# Altium PCB VOU_SOM_CV_V0.0.1.PcbDoc (part 5 of 5)
Units mm, origin at the board's own origin, x right, y up, seen from the top; angles counter-clockwise.
Board outline 75 x 105 mm, 9 copper layers (Top Layer, PWR1, INT1, INT2, INT3, INT4, INT5, PWR2, Bottom Layer), stack 1.317 mm thick; 497 components, 649 nets, 3023 pads, 1317 vias.
Unrouted connection lines stored in the file: 2057.
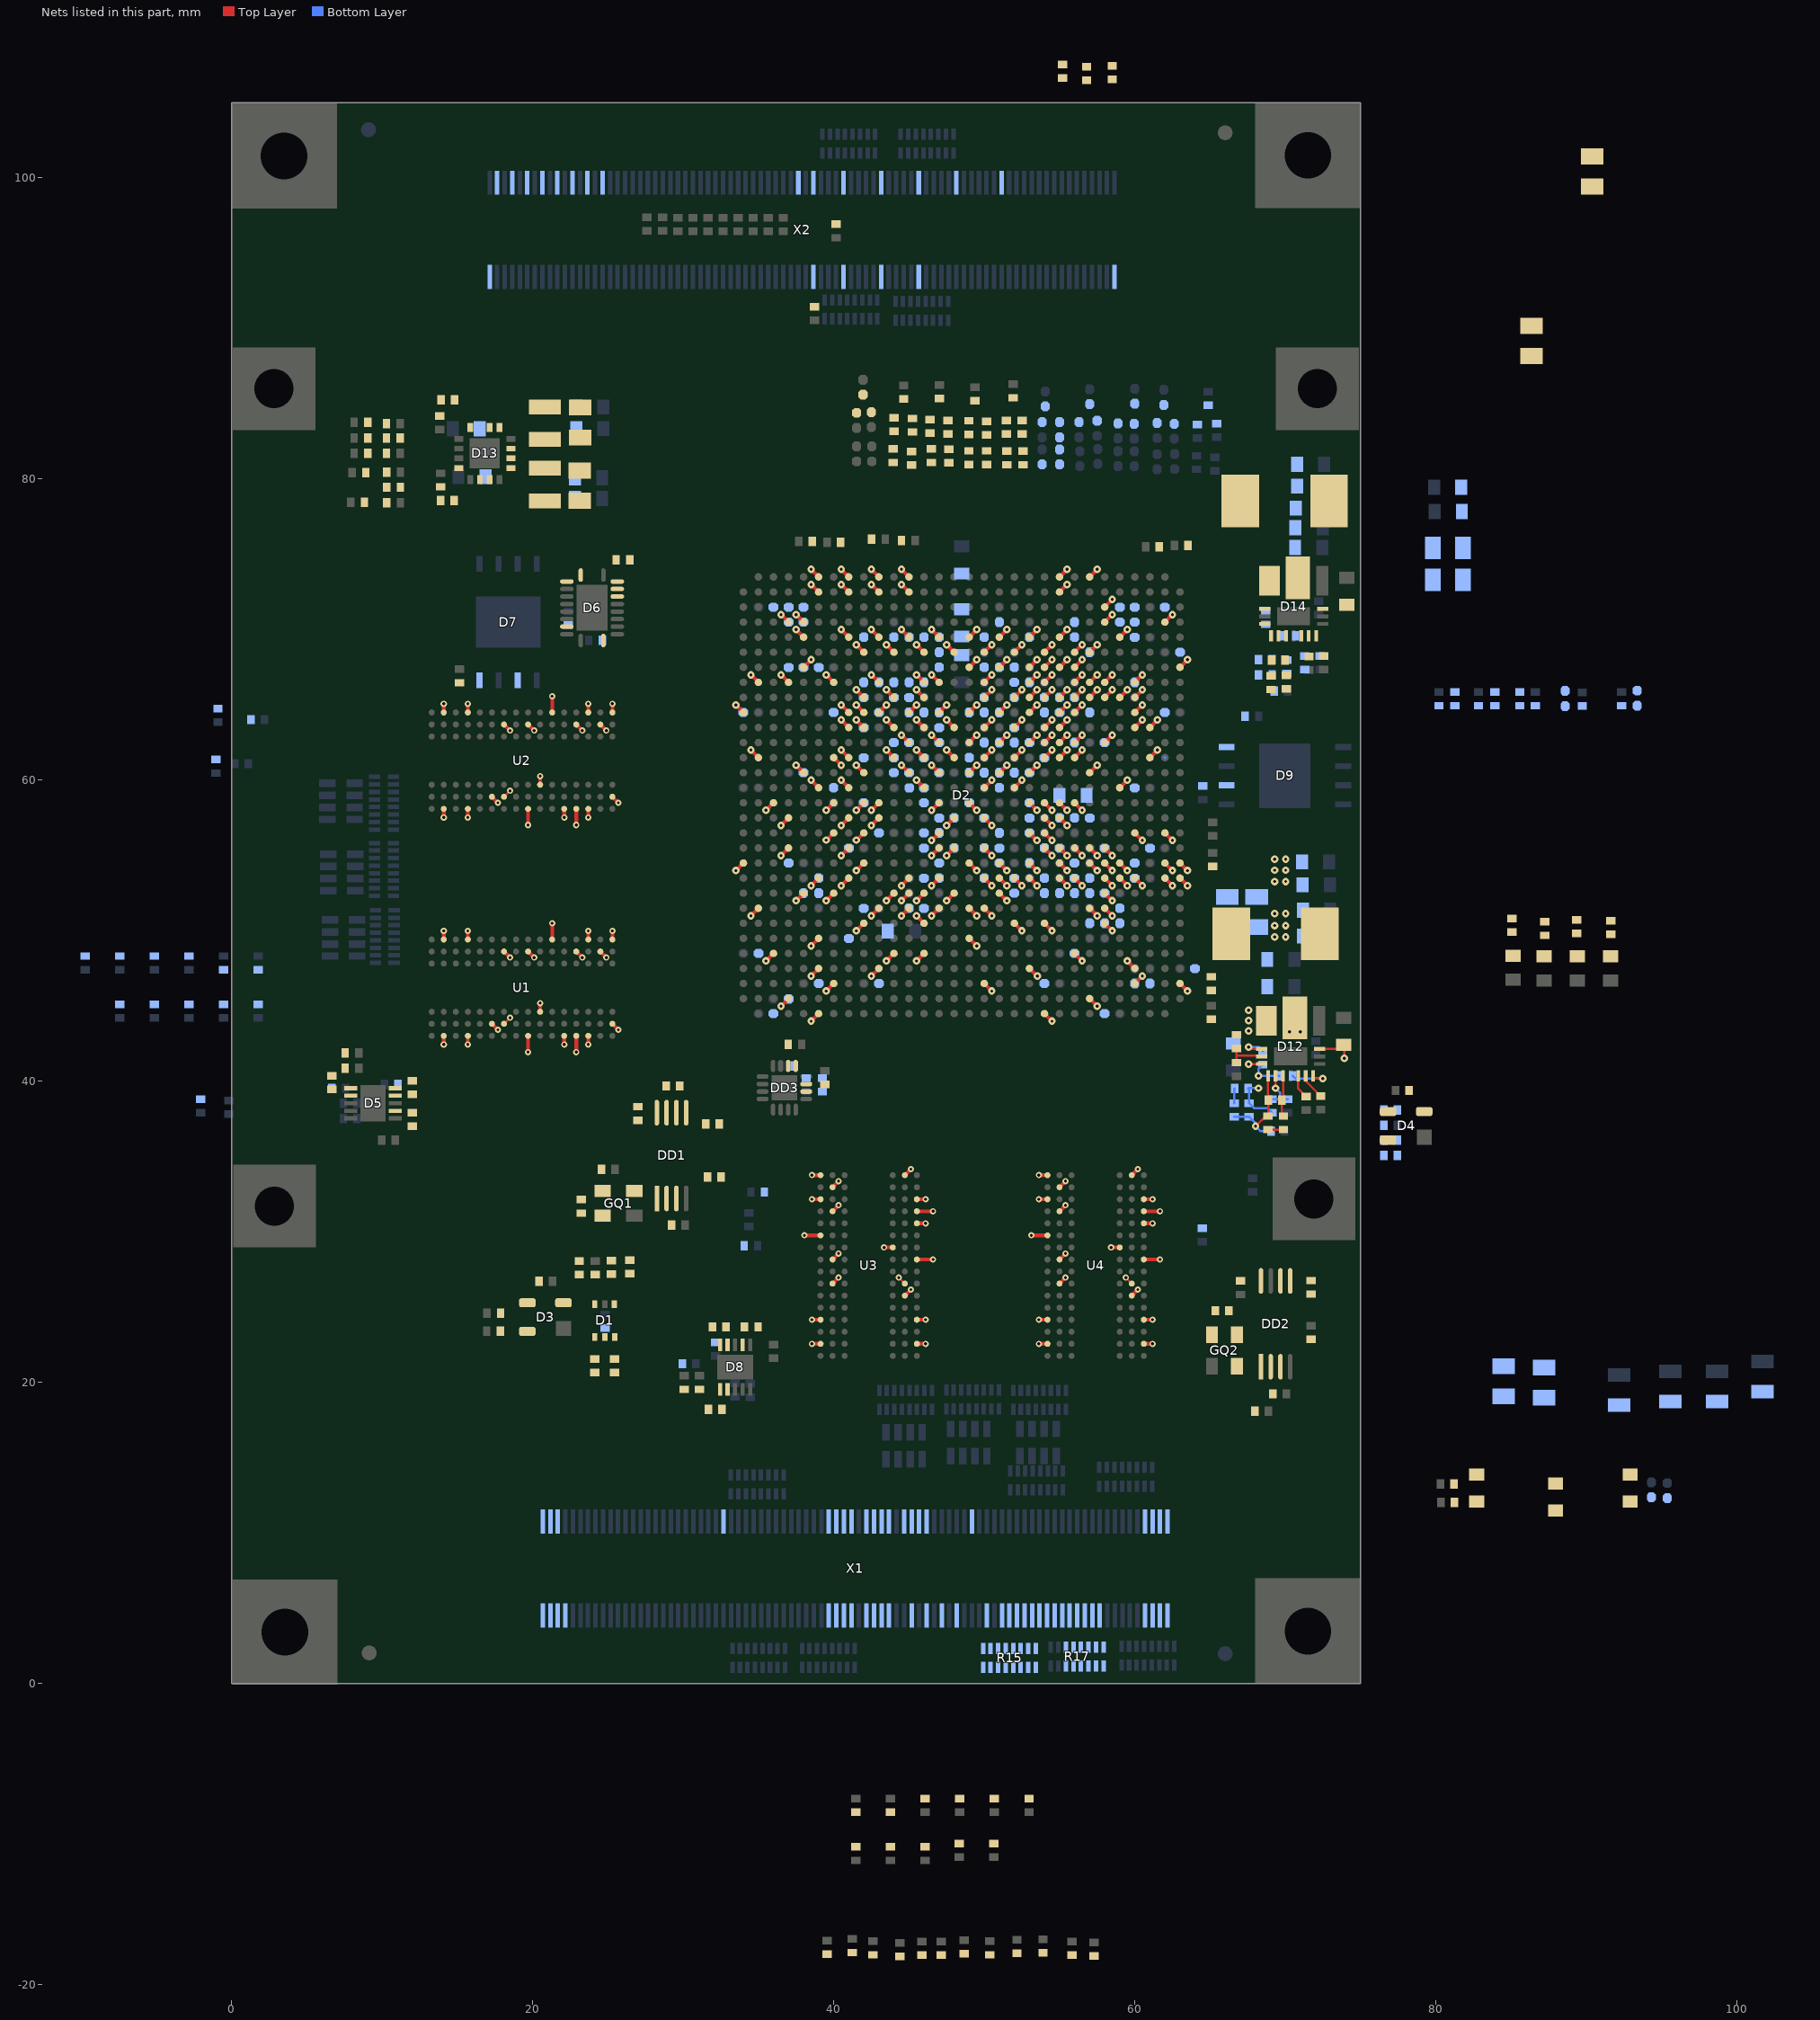
[diagram p10: the nets of this part, all layers, seen from the top]

## Via types
v1: diameter 0.5, hole 0.2, Top Layer to Bottom Layer, 953 vias
v2: diameter 0.42, hole 0.2, Top Layer to Bottom Layer, 364 vias

## Nets (pads, with @x,y where several pads share a name; then routed paths per layer and width w, separated by ;. In a path a pad name is that pad's centre, name@x,y a point inside that pad or via, vN(x,y) a via of type N, cw(c..) or ccw(c..) an arc to the next point about the centre after c; other vN are vias at no path point) (continued)
MIPI_CSI_DA3_HS_P: D2.C13 R90.2 R91.1 X2.31 | length 0.7
  Top Layer w0.25: D2.C13@61,61.5 v1(61.5,62)
MIPI_CSI_DA3_LP_N: D2.D10 R92.1 | length 0.7
  Top Layer w0.25: D2.D10@60,64.5 v1(60.5,65)
MIPI_CSI_DA3_LP_P: D2.D11 R90.1 | length 0.7
  Top Layer w0.25: D2.D11@60,63.5 v1(60.5,64)
MIPI_CSI_DB0_HS_N: D2.K8 R100.2 R101.2 X2.141 | length 0.7
  Top Layer w0.25: D2.K8@54,66.5 v1(54.5,67)
MIPI_CSI_DB0_HS_P: D2.K7 R98.2 R99.1 X2.137 | length 0.7
  Top Layer w0.25: D2.K7@54,67.5 v1(54.5,68)
MIPI_CSI_DB0_LP_N: D2.H7 R101.1 | length 0.7
  Top Layer w0.25: D2.H7@56,67.5 v1(56.5,68)
MIPI_CSI_DB0_LP_P: D2.J7 R98.1 | length 0.7
  Top Layer w0.25: D2.J7@55,67.5 v1(55.5,68)
MIPI_CSI_DB1_HS_N: D2.J9 R104.2 R105.2 X2.149 | length 0.7
  Top Layer w0.25: D2.J9@55,65.5 v1(55.5,66)
MIPI_CSI_DB1_HS_P: D2.J10 R102.2 R103.1 X2.145 | length 0.7
  Top Layer w0.25: D2.J10@55,64.5 v1(55.5,65)
MIPI_CSI_DB1_LP_N: D2.G8 R105.1 | length 0.7
  Top Layer w0.25: D2.G8@57,66.5 v1(57.5,67)
MIPI_CSI_DB1_LP_P: D2.H8 R102.1 | length 0.7
  Top Layer w0.25: D2.H8@56,66.5 v1(56.5,67)
MIPI_CSI_DB2_HS_N: D2.J12 R108.2 R109.2 X2.157 | length 0.7
  Top Layer w0.25: D2.J12@55,62.5 v1(55.5,63)
MIPI_CSI_DB2_HS_P: D2.K12 R106.2 R107.1 X2.153 | length 0.7
  Top Layer w0.25: D2.K12@54,62.5 v1(54.5,63)
MIPI_CSI_DB2_LP_N: D2.F8 R109.1 | length 0.7
  Top Layer w0.25: D2.F8@58,66.5 v1(58.5,67)
MIPI_CSI_DB2_LP_P: D2.F9 R106.1 | length 0.7
  Top Layer w0.25: D2.F9@58,65.5 v1(58.5,66)
MIPI_CSI_DB3_HS_N: D2.H12 R112.2 R113.2 X2.165 | length 0.7
  Top Layer w0.25: D2.H12@56,62.5 v1(56.5,63)
MIPI_CSI_DB3_HS_P: D2.H13 R110.2 R111.1 X2.161 | length 0.7
  Top Layer w0.25: D2.H13@56,61.5 v1(56.5,62)
MIPI_CSI_DB3_LP_N: D2.D9 R113.1 | length 0.7
  Top Layer w0.25: D2.D9@60,65.5 v1(60.5,66)
MIPI_CSI_DB3_LP_P: D2.E9 R110.1 | length 0.7
  Top Layer w0.25: D2.E9@59,65.5 v1(59.5,66)
MSEL0: D2.L8 R179.1 R195.2 | length 0.7
  Top Layer w0.25: D2.L8@53,66.5 v1(53.5,67)
MSEL1: D2.K6 R184.1 R196.2 | length 0.7
  Top Layer w0.25: D2.K6@54,68.5 v1(54.5,69)
MSEL2: D2.G6 R185.1 R197.2 | length 0.7
  Top Layer w0.25: D2.G6@57,68.5 v1(57.5,69)
MSEL3: D2.L7 R186.1 R198.2 | length 0.7
  Top Layer w0.25: D2.L7@53,67.5 v1(53.5,68)
MSEL4: D2.L9 R187.1 R199.2 | length 0.7
  Top Layer w0.25: D2.L9@53,65.5 v1(53.5,66)
N_FPGA_RST_O: D1.1 D2.AE27 R182.1 | length 0.7
  Top Layer w0.25: v1(38.5,47) D2.AE27@39,47.5
N_PERST0: D6.13 X1.107
N_PERST0_2V5: D2.W21 D6.8 | length 0.7
  Top Layer w0.25: v1(44.5,53) D2.W21@45,53.5
N_PERST1: D6.12 X1.119
N_PERST1_2V5: D2.W22 D6.9 | length 0.7
  Top Layer w0.25: v1(44.5,52) D2.W22@45,52.5
N_RST_O: R19.2 R34.2 X1.116
NetC20_1: C20.1 D5.1 R58.2 R59.2
NetC51_1: C51.1 D8.1 R75.2 R76.2
NetC53_2: C53.2 R79.2 R81.1
NetC54_2: C54.2 R83.2 R85.1
NetC55_2: C55.2 R87.2 R89.1 | length 0
NetC56_2: C56.2 R91.2 R93.1
NetC57_2: C57.2 R95.2 R97.1
NetC60_2: C60.2 R99.2 R100.1
NetC61_2: C61.2 R103.2 R104.1
NetC62_2: C62.2 R107.2 R108.1
NetC63_2: C63.2 R111.2 R112.1
NetC64_2: C64.2 R115.2 R116.1
NetC72_1: C72.1 C73.1 L8.2 R123.1 R126.2
NetC74_1: C74.1 R133.1 | length 1
  Bottom Layer w0.15: R133.1@66.6,38.55 66.6,39.5 C74.1@66.625,39.525
NetC74_2: C74.2 C77.1 C78.1 L9.2 R121.1 R125.1 R128.2 R130.2 | length 3.5
  Bottom Layer w0.15: v1(68.225,39.55) 67.55,39.55 C74.2@67.525,39.525 67.6,39.45 R130.2@67.6,38.55 67.925,38.225 68.8,38.225 R128.2@69.1,37.925
  other v1: 69.3,49.6 70.025,49.6 69.3,50.35 70.025,50.35 69.3,51.15 70.025,51.15
NetC81_2: C81.2 D12.10 D12.16 | length 3.5
  Top Layer w0.15: v1(67.55,41.15) 67.555,41.155 D12.16@68.425,41.155 ; D12.10@72.275,42.155 73.605,42.155 C81.2@73.875,42.425 73.925,42.375 v1(73.925,41.525)
NetC82_2: C82.2 D12.6 | length 1.8
  Top Layer w0.15: D12.6@71.35,40.375 71.35,40.025 C82.2@72.35,39.025
NetC83_1: C83.1 C84.2 D12.3 | length 2.4
  Top Layer w0.15: C84.2@69.85,38.825 C84.2@69.775,38.75 69.775,37.85 C83.1@69.875,37.75 ; 69.85,39.075 D12.3@69.85,40.375
NetC83_2: C83.2 R137.2 | length 1
  Top Layer w0.15: R137.2@68.85,36.8 C83.2@69.875,36.8
NetC84_1: C84.1 D12.1 R130.1 R133.2 R137.1 R140.2 | length 6.8
  Top Layer w0.15: v1(68.025,37.025) 68.7,37.7 R137.1@68.85,37.7 68.875,37.725 C84.1@68.875,38.75 68.85,38.775 D12.1@68.85,40.375
  Bottom Layer w0.15: R133.2@66.6,37.65 R130.1@67.6,37.65 68.025,37.225 v1(68.025,37.025) 68.35,36.7 R140.2@69.05,36.7
NetC91_1: C91.1 C92.1 L11.2 R154.1 R155.2
NetC93_1: C93.1 D14.14
NetC93_2: C93.2 D14.12 L12.1 R145.1
NetC97_1: C97.1 C98.1 C269.2 L12.2 R156.1 R158.1 R160.2 R161.2
NetC101_2: C101.2 D14.10 D14.16
NetC102_2: C102.2 D14.6
NetC104_1: C104.1 D14.1 R161.1 R164.2 R165.1 R166.2
NetC104_2: C104.2 C270.1 D14.3
NetC267_1: C267.1 D12.14 | length 2
  Top Layer w0.15: v1(67.55,42.275) 67.67,42.155 D12.14@68.425,42.155
  Bottom Layer w0.15: v1(67.55,42.275) 68.25,42.275 C267.1@68.5,42.025
NetC267_2: C267.2 D12.12 L9.1 R129.1 | length 2.2
  Bottom Layer w0.15: C267.2@68.5,41.125 68.225,40.85 v1(68.225,40.375) R129.1@69.575,40.375
  other v1: 70.275,43.3 71,43.3
NetC269_1: C269.1 R164.1
NetC270_2: C270.2 R165.2
NetD1_3: D1.3 D3.2 R2.2 R12.1 R143.1
NetD1_4: D1.4 R34.1
NetD1_6: D1.6 R19.1
NetD2_A28: D2.A28 R204.2 | length 0.7
  Top Layer w0.25: D2.A28@63,46.5 v1(63.5,46)
NetD2_AA1: D2.AA1 D2.AA2 R138.2 | length 1.4
  Top Layer w0.25: v1(42.5,73) D2.AA2@43,72.5 ; v1(42.5,74) D2.AA1@43,73.5
NetD2_AC1: D2.AC1 D2.AC2 R28.2 | length 1.4
  Top Layer w0.25: v1(40.5,73) D2.AC2@41,72.5 ; v1(40.5,74) D2.AC1@41,73.5
NetD2_AE1: D2.AE1 D2.AE2 R62.2 | length 1.4
  Top Layer w0.25: v1(38.5,73) D2.AE2@39,72.5 ; v1(38.5,74) D2.AE1@39,73.5
NetD2_AG17: D2.AG17 R57.1 | length 0.7
  Top Layer w0.25: v1(36.5,57) D2.AG17@37,57.5
NetD2_D27: D2.D27 R69.2 | length 0.7
  Top Layer w0.25: v1(59.5,48) D2.D27@60,47.5
NetD2_F3: D2.F3 R178.1 | length 0.7
  Top Layer w0.25: D2.F3@58,71.5 v1(58.5,72)
NetD2_F4: D2.F4 R120.1 | length 0.7
  Top Layer w0.25: D2.F4@58,70.5 v1(58.5,71)
NetD2_F23: D2.F23 R12.2 | length 0.7
  Top Layer w0.25: D2.F23@58,51.5 v1(58.5,51)
NetD2_F24: D2.F24 R77.2 | length 0.7
  Top Layer w0.25: D2.F24@58,50.5 v1(58.5,50)
NetD2_G1: D2.G1 R159.1 | length 0.7
  Top Layer w0.25: D2.G1@57,73.5 v1(57.5,74)
NetD2_J1: D2.J1 D2.J2 R33.2 | length 1.4
  Top Layer w0.25: D2.J2@55,72.5 v1(55.5,73) ; D2.J1@55,73.5 v1(55.5,74)
NetD2_J5: D2.J5 R181.1 | length 0.7
  Top Layer w0.25: D2.J5@55,69.5 v1(55.5,70)
NetD2_P8: D2.P8 D2.P9 R32.2 | length 1.4
  Top Layer w0.25: D2.P9@50,65.5 v1(50.5,66) ; D2.P8@50,66.5 v1(50.5,67)
NetD2_W1: D2.W1 D2.W2 R30.2 | length 1.4
  Top Layer w0.25: v1(44.5,73) D2.W2@45,72.5 ; v1(44.5,74) D2.W1@45,73.5
NetD3_4: D3.4 R146.2
NetD4_2: D4.2 R18.2 R151.1
NetD4_4: D4.4 R147.2
NetD5_7: D5.7 R56.2
NetD5_9: D5.9 R55.2
NetD6_10: D6.10 R183.2
NetD7_6: D7.6 R191.1
NetD8_7: D8.7 R74.2
NetD8_9: D8.9 R73.2
NetD9_6: D9.6 R194.1
NetD12_2: D12.2 R128.1 R142.2 | length 2.6
  Top Layer w0.15: v1@69.35,39.625 D12.2@69.35,40.375
  Bottom Layer w0.15: R128.1@69.1,38.825 69.65,38.825 ; v1(69.35,39.55) 69.65,39.25 69.65,38.825 ; R142.2@70.15,38.825 69.65,38.825
NetD12_5: D12.5 R132.1 | length 1.6
  Top Layer w0.15: D12.5@70.85,40.375 70.85,39.525 R132.1@71.375,39
NetD12_7: D12.7 R129.2 | length 2.9
  Top Layer w0.15: D12.7@71.85,40.375 71.85,40.2 v1(72.475,40.2)
  Bottom Layer w0.15: R129.2@70.475,40.375 70.65,40.2 v1(72.475,40.2)
NetD12_15: D12.15 R122.2 R124.2 | length 2.6
  Top Layer w0.15: R124.2@66.75,41.25 66.75,41.7 ; R122.2@66.75,42.2 66.75,41.7 ; D12.15@68.425,41.655 68.38,41.7 66.75,41.7
NetD13_5: D13.5 D13.6 L11.1
NetD13_7: D13.7 L8.1
NetD13_12: D13.12 R126.1 R127.2
NetD13_16: D13.16 R155.1 R157.2
NetD14_2: D14.2 R160.1 R167.2
NetD14_5: D14.5 R162.1
NetD14_7: D14.7 R145.2
NetDD1_1: DD1.1 GQ1.3
NetDD1_3: DD1.3 R4.1
NetDD1_5: DD1.5 R6.1
NetDD1_7: DD1.7 R7.1
NetDD1_8: DD1.8 R5.1
NetDD2_1: DD2.1 GQ2.3
NetDD2_3: DD2.3 R9.1
NetDD2_5: DD2.5 R11.1
NetDD2_8: DD2.8 R10.1
NetDD3_2: DD3.2 R45.2
NetDD3_3: DD3.3 R44.2
NetDD3_6: DD3.6 R43.2
NetGQ1_1: GQ1.1 R3.2
NetGQ2_1: GQ2.1 R8.2
NetHL1_1: HL1.1 R50.1
NetHL2_1: HL2.1 R52.1
NetHL3_1: HL3.1 R54.1
NetHL4_1: HL4.1 R119.1
NetR7_2: R7.2 X1.103
NetR11_2: R11.2 X1.99
NetR13_1: R13.1 R147.1 X1.50
NetR27_2: R27.2 X2.81
NetR31_1: R31.1 X2.82
NetR47_1: R47.1 U1.L8 | length 0.6
  Top Layer w0.25: U1.L8@17.3,43.825 v2(17.7,43.425)
NetR48_1: R48.1 U2.L8 | length 0.6
  Top Layer w0.25: U2.L8@17.3,58.9 v2(17.7,58.5)
NetR68_1: R68.1 U3.L8 | length 0.6
  Top Layer w0.25: U3.L8@44.725,25.775 v2(45.125,26.175)
NetR70_1: R70.1 U4.L8 | length 0.6
  Top Layer w0.25: U4.L8@59.8,25.775 v2(60.2,26.175)
NetR131_1: R131.1 R134.2 R135.1 R136.1 R139.2 R141.1
NetR144_1: R144.1 R148.1 R149.2 R152.2 R153.2
NetR200_1: R200.1 X2.2
NetR201_2: R201.2 X2.85
NetR202_1: R202.1 X2.168
OSC_50_B3B: D2.AF14 R4.2 | length 0.7
  Top Layer w0.25: v1(37.5,61) D2.AF14@38,60.5
OSC_50_B4B: D2.AA16 R5.2 | length 0.7
  Top Layer w0.25: v1(42.5,58) D2.AA16@43,58.5
OSC_50_B5A5B: D2.Y26 R6.2 | length 0.7
  Top Layer w0.25: v1(43.5,48) D2.Y26@44,48.5
PR_DONE: D2.AF5 R37.2 | length 0.7
  Top Layer w0.25: v1(37.5,70) D2.AF5@38,69.5
PR_ERR: D2.AF4 R35.2 | length 0.7
  Top Layer w0.25: v1(37.5,71) D2.AF4@38,70.5
PR_RDY: D2.AG8 R39.2 | length 0.7
  Top Layer w0.25: v1(36.5,67) D2.AG8@37,66.5
RGMI_MDC: D2.B21 R15.16 | length 0.7
  Top Layer w0.25: D2.B21@62,53.5 v1(62.5,53)
RGMI_MDC_R: R15.1 X1.137
RGMI_MDIO: D2.E21 R15.15 | length 0.7
  Top Layer w0.25: D2.E21@59,53.5 v1(59.5,53)
RGMI_MDIO_R: R15.2 X1.135
RGMI_RX_CLK: D2.G20 R17.9 | length 0.7
  Top Layer w0.25: D2.G20@57,54.5 v1(57.5,54)
RGMI_RX_CLK_R: R17.8 X1.139
RGMI_RX_CTL: D2.K17 R17.10 | length 0.7
  Top Layer w0.25: D2.K17@54,57.5 v1(54.5,57)
RGMI_RX_CTL_R: R17.7 X1.141
RGMI_RXD0: D2.A21 R17.11 | length 0.7
  Top Layer w0.25: D2.A21@63,53.5 v1(63.5,53)
RGMI_RXD0_R: R17.6 X1.143
RGMI_RXD1: D2.B20 R17.12 | length 0.7
  Top Layer w0.25: D2.B20@62,54.5 v1(62.5,54)
RGMI_RXD1_R: R17.5 X1.145
RGMI_RXD2: D2.B18 R17.13 | length 0.7
  Top Layer w0.25: D2.B18@62,56.5 v1(62.5,56)
RGMI_RXD2_R: R17.4 X1.147
RGMI_RXD3: D2.D21 R17.14 | length 0.7
  Top Layer w0.25: D2.D21@60,53.5 v1(60.5,53)
RGMI_RXD3_R: R17.3 X1.149
RGMI_TX_CLK: D2.H19 R15.9 | length 0.7
  Top Layer w0.25: D2.H19@56,55.5 v1(56.5,55)
RGMI_TX_CLK_R: R15.8 X1.123
RGMI_TX_CTL: D2.A20 R15.10 | length 0.7
  Top Layer w0.25: D2.A20@63,54.5 v1(63.5,54)
RGMI_TX_CTL_R: R15.7 X1.125
RGMI_TXD0: D2.F20 R15.11 | length 0.7
  Top Layer w0.25: D2.F20@58,54.5 v1(58.5,54)
RGMI_TXD0_R: R15.6 X1.127
RGMI_TXD1: D2.J19 R15.12 | length 0.7
  Top Layer w0.25: D2.J19@55,55.5 v1(55.5,55)
RGMI_TXD1_R: R15.5 X1.129
RGMI_TXD2: D2.F21 R15.13 | length 0.7
  Top Layer w0.25: D2.F21@58,53.5 v1(58.5,53)
RGMI_TXD2_R: R15.4 X1.131
RGMI_TXD3: D2.F19 R15.14 | length 0.7
  Top Layer w0.25: D2.F19@58,55.5 v1(58.5,55)
RGMI_TXD3_R: R15.3 X1.133
TCK: D2.AC5 X1.100 | length 0.7
  Top Layer w0.25: v1(40.5,70) D2.AC5@41,69.5
TDI: D2.U8 R177.2 X1.104 | length 0.7
  Top Layer w0.25: v1(46.5,67) D2.U8@47,66.5
TDO: D2.AB9 X1.102 | length 0.7
  Top Layer w0.25: v1(41.5,66) D2.AB9@42,65.5
TMS: D2.V9 R176.2 X1.98 | length 0.7
  Top Layer w0.25: v1(45.5,66) D2.V9@46,65.5
VCC1P1: C94.1 C99.1 C100.1 C113.2 C114.2 C115.2 C116.2 C117.2 C118.2 C119.2 C120.2 C127.2 C128.2 C129.2 C130.2 C131.2 C132.2 C133.2 C134.2 C146.2 C147.2 C148.2 C149.2 C150.2 C151.2 C152.2 C153.2 C168.1 C169.1 C170.1 C171.1 C172.1 C173.1 C174.1 C180.1 C181.1 C182.1 C183.1 C184.1 C185.1 C186.1 C187.1 C189.1 C190.1 C191.1 C192.1 C193.1 C199.2 C200.2 C201.2 C202.1 C203.1 C204.1 C205.1 C210.2 C211.2 C212.2 C213.2 C214.2 C215.2 C216.2 D2.L16 D2.L18 D2.L20 D2.M9 D2.M11 D2.M13 D2.M15 D2.N10 D2.N12 D2.N14 D2.N20 D2.P11 D2.P13 D2.P15 D2.P17 D2.P19 D2.R10 D2.R12 D2.R14 D2.R16 D2.T11 D2.T13 D2.T17 D2.T19 D2.U10 D2.U12 D2.U14 D2.U16 D2.U18 D2.U21 D2.V11 D2.V13 D2.V15 D2.W10 D2.W12 D2.W14 D2.Y9 D2.Y11 D2.Y13 L2.2 R156.2 R158.2 | length 27.6
  Top Layer w0.25: v1(43.5,62) D2.Y13@44,61.5 ; v1(43.5,64) D2.Y11@44,63.5 ; v1(43.5,66) D2.Y9@44,65.5 ; v1(44.5,61) D2.W14@45,60.5 ; v1(44.5,63) D2.W12@45,62.5 ; D2.W10@45,64.5 v1(45.5,65) ; v1(45.5,60) D2.V15@46,59.5 ; v1(45.5,62) D2.V13@46,61.5 ; v1(45.5,64) D2.V11@46,63.5 ; v1(46.5,53) D2.U21@47,53.5 ; v1(46.5,56) D2.U18@47,56.5 ; v1(46.5,58) D2.U16@47,58.5 ; v1(46.5,61) D2.U14@47,60.5 ; v1(46.5,63) D2.U12@47,62.5 ; D2.U10@47,64.5 v1(47.5,65) ; v1(47.5,55) D2.T19@48,55.5 ; v1(47.5,57) D2.T17@48,57.5 ; v1(47.5,62) D2.T13@48,61.5 ; v1(47.5,64) D2.T11@48,63.5 ; D2.R16@49,58.5 v1(49.5,58) ; D2.R14@49,60.5 v1(49.5,61) ; D2.R12@49,62.5 v1(49.5,63) ; D2.R10@49,64.5 v1(49.5,65) ; D2.P19@50,55.5 v1(50.5,55) ; D2.P17@50,57.5 v1(50.5,57) ; D2.P15@50,59.5 v1(50.5,60) ; D2.P13@50,61.5 v1(50.5,62) ; D2.P11@50,63.5 v1(50.5,64) ; D2.N20@51,54.5 v1(51.5,54) ; D2.N14@51,60.5 v1(51.5,61) ; D2.N12@51,62.5 v1(51.5,63) ; D2.N10@51,64.5 v1(51.5,65) ; D2.M15@52,59.5 v1(52.5,60) ; D2.M13@52,61.5 v1(52.5,62) ; D2.M11@52,63.5 v1(52.5,64) ; D2.M9@52,65.5 v1(52.5,66) ; D2.L20@53,54.5 v1(53.5,54) ; D2.L18@53,56.5 v1(53.5,56) ; D2.L16@53,58.5 v1(53.5,58)
VCC1P5_DDR3: C19.1 C50.1 C107.2 C108.2 C109.2 C110.2 C111.2 C175.1 C194.2 C195.2 C196.2 C197.2 C198.2 C220.2 C221.2 C222.2 C223.2 C224.2 C225.2 C227.1 C228.1 C229.2 C230.2 C231.2 C236.2 C237.2 C238.2 C239.2 C240.2 C241.2 C246.1 C247.1 C248.2 C249.2 C250.2 C271.2 C272.2 C273.1 C274.1 C275.1 C276.1 C277.1 C278.1 C279.1 C280.1 C281.1 C282.1 D2.AA17 D2.AB14 D2.AC21 D2.AD13 D2.AD18 D2.AE15 D2.AE25 D2.AF22 D2.AG19 D2.AH16 D2.AH26 D2.AJ8 D2.AJ13 D2.AJ23 D2.AK10 D2.AK20 D2.D28 D2.G29 D2.H26 D2.K24 D2.K30 D2.L27 D2.M24 D2.N21 D2.P23 D2.P28 D2.R25 D2.T22 D2.U19 D2.V26 D5.2 D8.2 R49.1 R58.1 R71.1 R75.1 R154.2 U1.A1 U1.A8 U1.B2 U1.C1 U1.C9 U1.D2 U1.D9 U1.E9 U1.F1 U1.G7 U1.H2 U1.H9 U1.K2 U1.K8 U1.N1 U1.N9 U1.R1 U1.R9 U2.A1 U2.A8 U2.B2 U2.C1 U2.C9 U2.D2 U2.D9 U2.E9 U2.F1 U2.G7 U2.H2 U2.H9 U2.K2 U2.K8 U2.N1 U2.N9 U2.R1 U2.R9 U3.A1 U3.A8 U3.B2 U3.C1 U3.C9 U3.D2 U3.D9 U3.E9 U3.F1 U3.G7 U3.H2 U3.H9 U3.K2 U3.K8 U3.N1 U3.N9 U3.R1 U3.R9 U4.A1 U4.A8 U4.B2 U4.C1 U4.C9 U4.D2 U4.D9 U4.E9 U4.F1 U4.G7 U4.H2 U4.H9 U4.K2 U4.K8 U4.N1 U4.N9 U4.R1 U4.R9 | length 68.4
  Top Layer w0.15: U1.K8@18.1,43.825 v2(18.5,44.225) ; U2.K8@18.1,58.9 v2(18.5,59.3) ; v2(44.325,26.975) U3.K8@44.725,26.575 ; v2(59.4,26.975) U4.K8@59.8,26.575
  Top Layer w0.25: v2(14.1,42.45) U1.R9@14.1,43.025 ; U1.R1@14.1,49.425 v2(14.1,50) ; v2(14.1,57.525) U2.R9@14.1,58.1 ; U2.R1@14.1,64.5 v2(14.1,65.075) ; v2(15.7,42.45) U1.N9@15.7,43.025 ; U1.N1@15.7,49.425 v2(15.7,50) ; v2(15.7,57.525) U2.N9@15.7,58.1 ; U2.N1@15.7,64.5 v2(15.7,65.075) ; U1.K2@18.1,48.625 v2(18.5,48.225) ; U2.K2@18.1,63.7 v2(18.5,63.3) ; v2(19.7,41.95) U1.H9@19.7,43.025 ; U1.H2@19.7,48.625 v2(20.1,48.225) ; v2(19.7,57.025) U2.H9@19.7,58.1 ; U2.H2@19.7,63.7 v2(20.1,63.3) ; U1.G7@20.5,44.625 v2(20.5,45.2) ; U2.G7@20.5,59.7 v2(20.5,60.275) ; U1.F1@21.3,49.425 v2(21.3,50.5) ; U2.F1@21.3,64.5 v2(21.3,65.575) ; v2(22.1,42.45) U1.E9@22.1,43.025 ; v2(22.1,57.525) U2.E9@22.1,58.1 ; v2(22.9,41.95) U1.D9@22.9,43.025 ; U1.D2@22.9,48.625 v2(23.3,48.225) ; v2(22.9,57.025) U2.D9@22.9,58.1 ; U2.D2@22.9,63.7 v2(23.3,63.3) ; v2(23.7,42.45) U1.C9@23.7,43.025 ; U1.C1@23.7,49.425 v2(23.7,50) ; v2(23.7,57.525) U2.C9@23.7,58.1 ; U2.C1@23.7,64.5 v2(23.7,65.075) ; U1.B2@24.5,48.625 v2(24.9,48.225) ; U2.B2@24.5,63.7 v2(24.9,63.3) ; U1.A8@25.3,43.825 v2(25.7,43.425) ; U1.A1@25.3,49.425 v2(25.3,50) ; U2.A8@25.3,58.9 v2(25.7,58.5) ; U2.A1@25.3,64.5 v2(25.3,65.075) ; v1(33.5,54) D2.AK20@34,54.5 ; v1(33.5,65) D2.AK10@34,64.5 ; v1(34.5,51) D2.AJ23@35,51.5 ; v1(34.5,62) D2.AJ13@35,61.5 ; v1(34.5,67) D2.AJ8@35,66.5 ; v1(35.5,48) D2.AH26@36,48.5 ; v1(35.5,58) D2.AH16@36,58.5 ; v1(36.5,55) D2.AG19@37,55.5 ; v1(37.5,52) D2.AF22@38,52.5 ; v2(38.05,29.775) U3.F1@39.125,29.775 ; v1(38.5,49) D2.AE25@39,49.5 ; v1(38.5,60) D2.AE15@39,59.5 ; v2(38.55,22.575) U3.R1@39.125,22.575 ; v2(38.55,24.175) U3.N1@39.125,24.175 ; v2(38.55,32.175) U3.C1@39.125,32.175 ; v2(38.55,33.775) U3.A1@39.125,33.775 ; v1(39.501,56.027) 39.527,56.027 D2.AD18@40,56.5 ; U3.K2@39.925,26.575 v2(40.325,26.975) ; U3.H2@39.925,28.175 v2(40.325,28.575) ; U3.D2@39.925,31.375 v2(40.325,31.775) ; U3.B2@39.925,32.975 v2(40.325,33.375) ; D2.AD13@40,61.5 v1(40.5,61) ; v1(40.5,53) D2.AC21@41,53.5 ; v1(41.5,61) D2.AB14@42,60.5 ; v1(42.5,57) D2.AA17@43,57.5 ; v2(43.35,28.975) U3.G7@43.925,28.975 ; U3.A8@44.725,33.775 v2(45.125,34.175) ; v1(45.5,48) D2.V26@46,48.5 ; U3.R9@45.525,22.575 v2(46.1,22.575) ; U3.N9@45.525,24.175 v2(46.1,24.175) ; U3.H9@45.525,28.175 v2(46.6,28.175) ; U3.E9@45.525,30.575 v2(46.1,30.575) ; U3.D9@45.525,31.375 v2(46.6,31.375) ; U3.C9@45.525,32.175 v2(46.1,32.175) ; v1(46.5,55) D2.U19@47,55.5 ; v1(47.5,52) D2.T22@48,52.5 ; D2.R25@49,49.5 v1(49.5,49) ; D2.P28@50,46.5 v1(50.5,46) ; D2.P23@50,51.5 v1(50.5,51) ; D2.N21@51,53.5 v1(51.5,53) ; D2.M24@52,50.5 v1(52.5,50) ; D2.L27@53,47.5 53.498,47.002 v1(53.528,47.002) ; v2(53.125,29.775) U4.F1@54.2,29.775 ; v2(53.625,22.575) U4.R1@54.2,22.575 ; v2(53.625,24.175) U4.N1@54.2,24.175 ; v2(53.625,32.175) U4.C1@54.2,32.175 ; v2(53.625,33.775) U4.A1@54.2,33.775 ; D2.K30@54,44.5 v1(54.5,44) ; D2.K24@54,50.5 v1(54.5,50) ; U4.K2@55,26.575 v2(55.4,26.975) ; U4.H2@55,28.175 v2(55.4,28.575) ; U4.D2@55,31.375 v2(55.4,31.775) ; U4.B2@55,32.975 v2(55.4,33.375) ; D2.H26@56,48.5 v1(56.5,48) ; D2.G29@57,45.5 v1(57.5,45) ; v2(58.425,28.975) U4.G7@59,28.975 ; U4.A8@59.8,33.775 v2(60.2,34.175) ; D2.D28@60,46.5 v1(60.5,47) ; U4.R9@60.6,22.575 v2(61.175,22.575) ; U4.N9@60.6,24.175 v2(61.175,24.175) ; U4.H9@60.6,28.175 v2(61.675,28.175) ; U4.E9@60.6,30.575 v2(61.175,30.575) ; U4.D9@60.6,31.375 v2(61.675,31.375) ; U4.C9@60.6,32.175 v2(61.175,32.175)
VCC2P5: C1.1 C2.2 C9.2 C10.2 C34.2 C87.1 C112.1 C121.2 C122.2 C135.2 C136.2 C137.1 C142.2 C143.2 C144.2 C145.2 C154.1 C164.2 C165.2 C166.2 C206.2 C207.2 C259.2 C260.2 C261.2 C262.2 C263.2 C264.2 C265.2 C266.2 D2.A7 D2.AA10 D2.AA27 D2.AB18 D2.AB20 D2.AB24 D2.AC10 D2.AC11 D2.AC13 D2.AC15 D2.AC17 D2.AC19 D2.AD8 D2.AD16 D2.AD28 D2.AE21 D2.AE30 D2.AF7 D2.AG4 D2.AG29 D2.B4 D2.C11 D2.D8 D2.E5 D2.F12 D2.G9 D2.G14 D2.H6 D2.J13 D2.K11 D2.K13 D2.L10 D2.L12 D2.L14 D2.M21 D2.N22 D2.P21 D2.R20 D2.R23 D2.U23 D2.V22 D2.V24 D2.W23 D6.2 DD1.2 DD1.6 DD3.5 GQ1.4 L1.2 L3.2 L4.2 L5.1 L13.2 R3.1 R35.1 R37.1 R38.1 R39.1 R45.1 R50.2 R51.1 R52.2 R54.2 R118.1 R119.2 R120.2 R123.2 R176.1 R177.1 R178.2 R179.2 R181.2 R183.1 R184.2 R185.2 R186.2 R187.2 | length 30.4
  Top Layer w0.25: v1(36.5,45) D2.AG29@37,45.5 ; v1(36.5,71) D2.AG4@37,70.5 ; D2.AF7@38,67.5 v1(38.5,68) ; v1(38.5,44) D2.AE30@39,44.5 ; v1(38.5,53) D2.AE21@39,53.5 ; v1(39.5,46) D2.AD28@40,46.5 ; v1(39.5,58) D2.AD16@40,58.5 ; v1(39.5,67) D2.AD8@40,66.5 ; v1(40.5,55) D2.AC19@41,55.5 ; v1(40.5,57) D2.AC17@41,57.5 ; v1(40.5,60) D2.AC15@41,59.5 ; v1(40.5,62) D2.AC13@41,61.5 ; v1(40.5,64) D2.AC11@41,63.5 ; v1(40.5,65) D2.AC10@41,64.5 ; v1(41.5,50) D2.AB24@42,50.5 ; v1(41.5,54) D2.AB20@42,54.5 ; v1(41.501,56.027) 41.527,56.027 D2.AB18@42,56.5 ; v1(42.5,47) D2.AA27@43,47.5 ; D2.AA10@43,64.5 v1(43.5,65) ; v1(44.5,51) D2.W23@45,51.5 ; v1(45.5,51) D2.V24@46,50.5 ; v1(45.5,52) D2.V22@46,52.5 ; v1(46.5,51) D2.U23@47,51.5 ; D2.R23@49,51.5 v1(49.5,51) ; D2.R20@49,54.5 v1(49.5,54) ; D2.P21@50,53.5 v1(50.5,53) ; D2.N22@51,52.5 v1(51.5,52) ; D2.M21@52,53.5 v1(52.5,53) ; D2.L14@53,60.5 v1(53.5,61) ; D2.L12@53,62.5 v1(53.5,63) ; D2.L10@53,64.5 v1(53.5,65) ; D2.K13@54,61.5 v1(54.5,62) ; D2.K11@54,63.5 v1(54.5,64) ; D2.J13@55,61.5 v1(55.5,62) ; D2.H6@56,68.5 v1(56.5,69) ; D2.G14@57,60.5 v1(57.5,61) ; D2.G9@57,65.5 v1(57.5,66) ; D2.F12@58,62.5 v1(58.5,63) ; D2.E5@59,69.5 v1(59.5,70) ; D2.D8@60,66.5 v1(60.5,67) ; D2.C11@61,63.5 v1(61.5,64) ; D2.B4@62,70.5 v1(62.5,71) ; D2.A7@63,67.5 v1(63.5,68)
VCC2P5_IO: R38.2 X1.87 X1.88 X1.89 X1.90 X1.91 X1.92 X1.93 X1.94 X2.53 X2.54 X2.63 X2.64 X2.73 X2.74
VCC3P3: C3.2 C4.2 C5.1 C11.2 C12.2 C16.1 C35.2 C42.2 C47.1 C52.2 C79.1 C80.1 C88.1 C208.2 C209.2 C217.2 C218.2 C219.2 C226.2 C251.2 C252.2 C253.2 C254.2 C255.2 C256.2 C257.2 C258.2 C268.1 D1.5 D2.AA23 D2.AB10 D2.D18 D2.E15 D2.E20 D2.F22 D2.G19 D2.H16 D2.H21 D2.J11 D2.J17 D2.K16 D2.K18 D2.K19 D3.3 D4.3 D5.10 D6.19 D7.8 D8.10 D9.8 D13.2 D13.3 D13.9 D13.10 DD2.2 DD2.6 GQ2.4 L6.1 R1.2 R2.1 R8.1 R13.2 R18.1 R36.1 R55.1 R56.1 R63.1 R73.1 R74.1 R77.1 R121.2 R125.2 R131.2 R148.2 R174.1 R175.1 R182.2 R192.1 R193.1 R200.2 R201.1 R202.2 R204.1 | length 9.9
  Top Layer w0.25: v1(41.5,65) D2.AB10@42,64.5 ; v1(42.5,51) D2.AA23@43,51.5 ; D2.K19@54,55.5 v1(54.5,55) ; D2.K18@54,56.5 v1(54.5,56) ; D2.K16@54,58.5 v1(54.5,58) ; D2.J17@55,57.5 v1(55.5,57) ; D2.J11@55,63.5 v1(55.5,64) ; D2.H21@56,53.5 v1(56.5,53) ; D2.H16@56,58.5 v1(56.5,58) ; D2.G19@57,55.5 v1(57.5,55) ; D2.F22@58,52.5 v1(58.5,52) ; D2.E20@59,54.5 v1(59.5,54) ; D2.E15@59,59.5 v1(59.5,60) ; D2.D18@60,56.5 v1(60.5,56)
  other v1: 69.3,53.275 70.025,53.275 69.3,54.025 70.025,54.025 69.3,54.75 70.025,54.75
VCC3P3_IO: R36.2 X1.77 X1.78 X1.79 X1.80 X1.81 X1.82 X1.83 X1.84 X2.43
VCC_BAT: C188.1 D2.H9 X1.111 | length 0.7
  Top Layer w0.25: D2.H9@56,65.5 v1(56.5,66)
VCCA_FPLL_2P5: C155.2 C156.2 C157.2 C158.2 C159.2 C160.2 C161.2 C162.1 C163.1 D2.AA8 D2.K9 D2.N7 D2.R7 D2.V8 D2.Y22 L13.1 | length 4.2
  Top Layer w0.25: v1(42.5,67) D2.AA8@43,66.5 ; v1(43.5,52) D2.Y22@44,52.5 ; v1(45.5,67) D2.V8@46,66.5 ; D2.R7@49,67.5 v1(49.5,68) ; D2.N7@51,67.5 v1(51.5,68) ; D2.K9@54,65.5 v1(54.5,66)
VCCAUX_2P5: C138.2 C139.2 C140.2 C141.2 D2.AB11 D2.AB16 D2.AD22 D2.H10 D2.J16 L3.1 | length 3.5
  Top Layer w0.25: v1(39.5,52) D2.AD22@40,52.5 ; v1(41.5,58) D2.AB16@42,58.5 ; v1(41.5,64) D2.AB11@42,63.5 ; D2.J16@55,58.5 v1(55.5,58) ; D2.H10@56,64.5 v1(56.5,65)
VCCAUX_SH_2P5: C176.2 C177.2 C178.2 C179.2 D2.J21 L4.1 | length 0.7
  Top Layer w0.25: D2.J21@55,53.5 v1(55.5,53)
VCCH_GXBL_2P5: C123.2 C124.2 C125.2 C126.2 D2.AB6 D2.P6 D2.V6 L1.1 | length 2.1
  Top Layer w0.25: v1(41.5,69) D2.AB6@42,68.5 ; v1(45.5,69) D2.V6@46,68.5 ; D2.P6@50,68.5 v1(50.5,69)
VCCL_GXBL_1P1: C70.2 C103.2 C105.2 C106.2 D2.AA5 D2.L5 D2.M6 D2.N5 D2.R5 D2.T6 D2.U5 D2.W5 D2.Y6 L2.1 | length 6.4
  Top Layer w0.25: v1(42.5,70) D2.AA5@43,69.5 ; v1(43.5,69) D2.Y6@44,68.5 ; v1(44.5,70) D2.W5@45,69.5 ; v1(46.5,70) D2.U5@47,69.5 ; v1(47.5,69) D2.T6@48,68.5 ; D2.R5@49,69.5 v1(49.5,70) ; D2.N5@51,69.5 v1(51.5,70) ; D2.M6@52,68.5 v1(52.5,69) ; D2.L5@53,69.5 v1(53.5,70)
VCCPLL_HPS_2P5: C232.2 C233.2 C234.2 C235.2 D2.L21 L5.2 | length 0.7
  Top Layer w0.25: D2.L21@53,53.5 v1(53.5,53)
VCCRSTCLK_HPS: C242.2 C243.2 C244.2 C245.2 D2.G23 D2.J20 L6.2 | length 1.4
  Top Layer w0.25: D2.J20@55,54.5 v1(55.5,54) ; D2.G23@57,51.5 v1(57.5,51)
VIN: C68.1 C69.1 C75.1 C76.1 C89.1 C90.1 C95.1 C96.1 D12.13 D14.13 R122.1 X1.1 X1.2 X1.3 X1.4 X1.5 X1.6 X1.7 X1.161 X1.162 X1.163 X1.164 X1.165 X1.166 X1.167 X1.168
  other v1: 67.55,43.35 67.55,44.05 67.55,44.725
pads on no net: D2.A13 D2.AA7 D2.AA19 D2.AA20 D2.AA21 D2.AA30 D2.AB17 D2.AB21 D2.AB30 D2.AC12 D2.AC14 D2.AC18 D2.AC22 D2.AC23 D2.AC25 D2.AD12 D2.AD15 D2.AD17 D2.AD20 D2.AD21 D2.AD24 D2.AE7 D2.AE24 D2.AE28 D2.AF9 D2.AF25 D2.AF26 D2.AG2 D2.AG5 D2.AG10 D2.AG13 D2.AG26 D2.AH3 D2.AH5 D2.AH9 D2.AH19 D2.AH22 D2.AH25 D2.AH27 D2.AJ4 D2.AJ5 D2.AJ19 D2.AJ25 D2.AJ26 D2.AK2 D2.AK3 D2.AK4 D2.AK6 D2.AK16 D2.AK28 D2.AK29 D2.B13 D2.E26 D2.F1 D2.G2 D2.G25 D2.H3 D2.H4 D2.H29 D2.J15 D2.J26 D2.K3 D2.K4 D2.K21 D2.L30 D2.M3 D2.M4 D2.M22 D2.M25 D2.N23 D2.N30 D2.P3 D2.P4 D2.P22 D2.P29 D2.R24 D2.T3 D2.T4 D2.T21 D2.T23 D2.T24 D2.T25 D2.T30 D2.U20 D2.U25 D2.U27 D2.U28 D2.V18 D2.V20 D2.V23 D2.V25 D2.V27 D2.V28 D2.V29 D2.W19 D2.W24 D2.W25 D2.W26 D2.W27 D2.Y18 D2.Y19 D2.Y23 D2.Y24 D2.Y28 D2.Y29 D6.21 D7.9 D9.9 D12.9 D14.9 DD2.7 DD3.8 DD3.11 DD3.12 DD3.15 DD3.16 R22.7 R22.8 R22.9 R22.10 R24.1 R24.2 R24.15 R24.16 RP_BL.0 RP_BR.0 RP_LT.0 RP_RT.0 U1.J1 U1.J9 U1.L1 U1.L9 U1.M7 U2.J1 U2.J9 U2.L1 U2.L9 U2.M7 U3.J1 U3.J9 U3.L1 U3.L9 U3.M7 U4.J1 U4.J9 U4.L1 U4.L9 U4.M7 X1.64 X1.66
copper on no net: | length 2.7
  Top Layer w0.25: 62,61.5 v1(62.5,62) ; 63,61.5 v1(63.5,62)
  INT3 w0.08: 19.68,49.295 19.68,50.016 ; 19.9,49.386 19.9,49.925
  other v1: 25.125,-5.375 28.125,-5.375 29.125,-5.375 25.125,-4.375 26.125,-4.375 28.125,-4.375 29.125,-4.375 25.125,-3.375 26.125,-3.375 28.125,-3.375 29.125,-3.375 25.125,-2.375 26.125,-2.375 28.125,-2.375 29.125,-2.375 25.125,-1.375 26.125,-1.375 28.125,-1.375 29.125,-1.375 25.125,-0.375 26.125,-0.375 28.125,-0.375 29.125,-0.375 68.975,58.8 69.975,58.8 70.975,58.8 68.975,59.8 69.975,59.8 70.975,59.8 68.975,60.8 69.975,60.8 70.975,60.8 68.975,61.8 69.975,61.8 70.975,61.8 16.875,69.5 17.875,69.5 18.875,69.5 19.875,69.5 23.4,70.35 24.5,70.35 16.875,70.5 17.875,70.5 18.875,70.5 19.875,70.5 23.4,71.45 24.5,71.45 16.875,71.5 17.875,71.5 18.875,71.5 19.875,71.5 23.4,72.55 24.5,72.55

## Polygon pours and split planes (outlines as drawn)
NetC267_2 on Top Layer "TOP" (solid, pour order 10): 71.25,45.25 71.75,45.75 71.75,46.5 73.5,48.25 73.5,48.75 71.25,48.75 69.75,47.25 69.75,45.5 70,45.25
NetC74_2 on Top Layer "TOP" (solid, pour order 8): 67.5,51.5 67.5,48 69,48 70.5,49.5 70.5,51.5
VIN on Top Layer "TOP" (solid, pour order 0): 66.5,43 69.25,43 69.25,45 66.5,45
VCC3P3 on Bottom Layer "BOT" (solid, pour order 12): 65.5,52 69,52 69.5,52.5 71.5,52.5 71.5,55 68.5,55 67.25,53.75 67,53.5 65.5,53.5
NetC74_2 on Bottom Layer "BOT" (solid, pour order 6): 65.5,49.25 69.25,49.25 71.5,49.25 71.5,51.75 69.5,51.75 68.5,50.75 65.5,50.75
GND_A on Bottom Layer "BOT" (solid, pour order 4): 69.25,42.25 69.25,41 71.75,41 72.25,41.5 72.25,42 71.75,42 71.5,42.25
VIN on Bottom Layer "BOT" (solid, pour order 2): 66,42.75 67,42.75 67.25,43 67.75,43 69,44.25 69,45.25 69,48 68.5,48 68.25,48 66.75,46.5 66.75,44 66,43.25

## Silkscreen, mask and mechanical layers (free items; w line width, h text height)
Board:
  the board outline again, w0.1
TopAssy:
  circle w0.254: c47.9,22.1 r0.127
  circle w0.254: c48.9,22.1 r0.127
  circle w0.254: c50.9,22.1 r0.127
  circle w0.254: c51.9,22.1 r0.127
  circle w0.254: c51.9,21.1 r0.127
  circle w0.254: c50.9,21.1 r0.127
  circle w0.254: c48.9,21.1 r0.127
  circle w0.254: c47.9,21.1 r0.127
  circle w0.254: c47.9,24.1 r0.127
  circle w0.254: c48.9,24.1 r0.127
  circle w0.254: c50.9,24.1 r0.127
  circle w0.254: c51.9,24.1 r0.127
  circle w0.254: c51.9,23.1 r0.127
  circle w0.254: c50.9,23.1 r0.127
  circle w0.254: c48.9,23.1 r0.127
  circle w0.254: c47.9,23.1 r0.127
  circle w0.254: c47.9,25.1 r0.127
  circle w0.254: c48.9,25.1 r0.127
  circle w0.254: c50.9,25.1 r0.127
  circle w0.254: c51.9,25.1 r0.127
  circle w0.254: c48.9,26.1 r0.127
  circle w0.254: c47.9,26.1 r0.127
  circle w0.254: c48.9,28.1 r0.127
  circle w0.254: c51.9,27.1 r0.127
  circle w0.254: c50.9,27.1 r0.127
  circle w0.254: c48.9,27.1 r0.127
  circle w0.254: c47.9,27.1 r0.127
  circle w0.254: c51.9,26.1 r0.127
  circle w0.254: c50.9,26.1 r0.127

## Text inside footprints (layer, text, board x,y; h text height)
X1: Bottom Overlay "168" at 63.225,12.89 h0.6 r90; Bottom Overlay "2" at 20.32,12.07 h0.6 r90; Bottom Overlay "167" at 63.17,3.795 h0.6 r90
X2: Bottom Overlay "167" at 16.155,100.415 h0.6 r270; Bottom Overlay "2" at 59.005,92.14 h0.6 r270; Bottom Overlay "168" at 16.1,91.32 h0.6 r270